# Altium PCB main_io.PcbDoc (part 1 of 3) (continued)
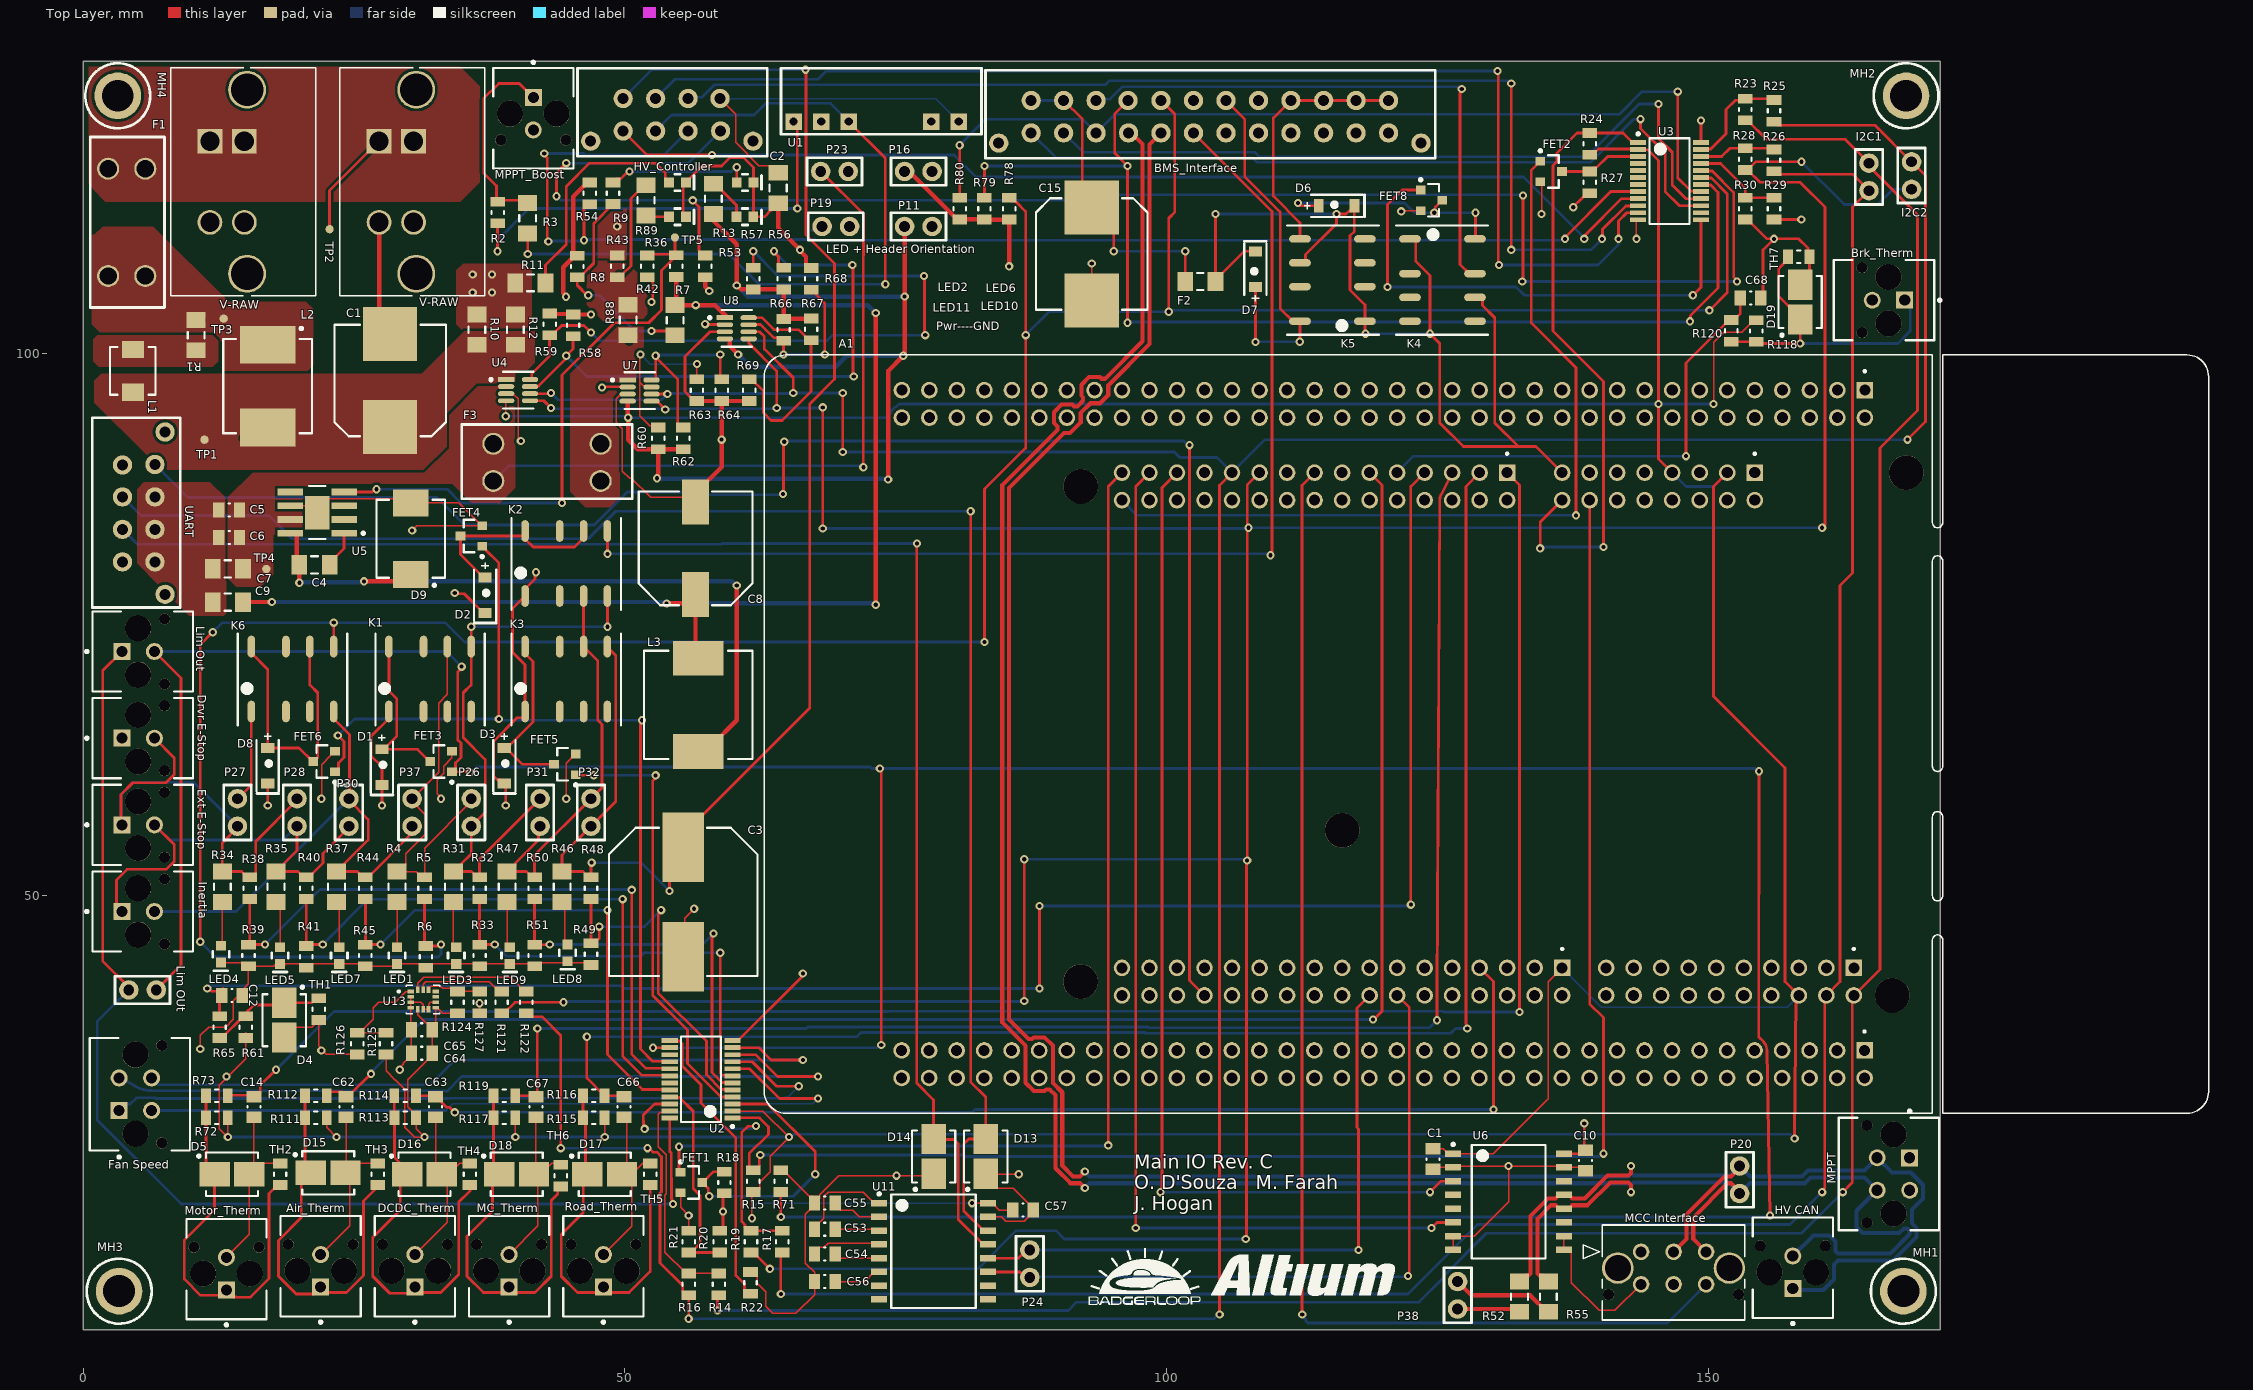
[diagram p0: Top Layer view]
## Components (designator, comment, footprint, x,y, rotation, side; value= is the part's Value field where it differs from the comment)
A1 "NUCLEO-F767ZI" ST_NUCLEO-F767ZI 129.535,64.897 r270 top
Air_Therm "43045-0224" FP-43045-0224-MFG 21.907,15.758 r0 top (schematic designator P14)
BMS_Interface "43045-2412" 0430452412 89.637,127.711 r180 top (schematic designator P2)
Brk_Therm "43045-0224" FP-43045-0224-MFG 166.236,104.95 r90 top (schematic designator P18)
C1 "PCR1J101MCL1GS" CAPAE110103X126M 28.321,97.536 r90 top
C1 "0.1uF" SMD-0805C 124.587,25.654 r90 top
C2 "GCM31CC71E106KA03L" SMD-1206C 64.135,115.316 r270 top value=10µF
C3 "865080462016" "CAPAE142135X140M -Wurth" 55.372,49.403 r270 top
C4 "10000pF" SMD-1206C 21.336,80.518 r180 top
C5 "4.7µF" SMD-0805C 13.462,85.598 r180 top
C6 "4.7µF" SMD-0805C 13.462,83.058 r180 top
C7 "10000pF" SMD-1206C 13.335,80.137 r180 top
C8 "GYB1E331MCW1GS" CAPAE110103X110N 56.515,82.042 r90 top value=330µF
C9 "10000pF" SMD-1206C 13.335,77.089 r180 top
C10 "0.1uF" SMD-0805C 138.684,25.527 r90 top
C12 "0.1uF" SMD-0805C 13.716,40.767 r0 top
C14 "0.1uF" SMD-0805C 15.748,30.48 r270 top
C15 "PCR1J101MCL1GS" CAPAE110103X126M 93.091,109.22 r270 top
C53 "0.10µF" SMD-0805C 68.453,19.177 r180 top
C54 "0.10µF" SMD-0805C 68.453,16.891 r180 top
C55 "0.1uF" SMD-0805C 68.453,21.59 r180 top
C56 "0.1uF" SMD-0805C 68.453,14.351 r180 top
C57 "0.1uF" SMD-0805C 86.741,20.955 r0 top
C62 "0.1uF" SMD-0805C 24.257,30.48 r270 top
C63 "0.1uF" SMD-0805C 32.512,30.48 r270 top
C64 "0.1uF" SMD-0805C 31.242,35.433 r180 top
C65 "0.1uF" SMD-0805C 31.242,37.592 r180 top
C66 "0.1uF" SMD-0805C 49.911,30.48 r270 top
C67 "0.1uF" SMD-0805C 41.783,30.48 r270 top
C68 "0.1uF" SMD-0805C 153.924,105.156 r0 top
D1 "MBR0520LT1G" "MBR0520LT1G - SOD123" 27.559,61.849 r270 top
D2 "MBR0520LT1G" "MBR0520LT1G - SOD123" 37.084,77.724 r270 top
D3 "MBR0520LT1G" "MBR0520LT1G - SOD123" 38.862,61.976 r270 top
D4 "SMBJ15A" DIOM4436X26N 18.542,38.481 r270 top
D5 "SMBJ15A" DIOM4436X26N 13.716,24.257 r0 top
D6 "MBR0520LT1G" "MBR0520LT1G - SOD123" 115.697,113.665 r0 top
D7 "MBR0520LT1G" "MBR0520LT1G - SOD123" 108.204,107.823 r90 top
D8 "MBR0520LT1G" "MBR0520LT1G - SOD123" 17.018,61.976 r270 top
D9 "SSC54-E3/9AT" SSC54-E3/9AT 30.226,82.931 r270 top
D13 "SMBJ8.0CA" DIOM4436X26N 83.312,25.908 r90 top
D14 "SMBJ8.0CA" DIOM4436X26N 78.486,25.908 r90 top
D15 "SMBJ15A" DIOM4436X26N 22.606,24.384 r0 top
D16 "SMBJ15A" DIOM4436X26N 31.496,24.257 r0 top
D17 "SMBJ15A" DIOM4436X26N 48.133,24.257 r0 top
D18 "SMBJ15A" DIOM4436X26N 40.005,24.257 r0 top
D19 "SMBJ15A" DIOM4436X26N 158.496,104.775 r90 top
DCDC_Therm "43045-0224" FP-43045-0224-MFG 30.607,15.758 r0 top (schematic designator P7)
"Drvr E-Stop" "43045-0224" FP-43045-0224-MFG 5.471,64.516 r270 top (schematic designator P22)
"Ext E-Stop" "43045-0224" FP-43045-0224-MFG 5.471,56.515 r270 top (schematic designator P25)
F1 "3568" "Fuse Holder 30A 500V 1 Circuit Blade Through Hole" 2.286,117.094 r270 top
F2 "F2570CT" SMD-1206-RES 103.124,106.68 r180 top
F3 "3568" "Fuse Holder 30A 500V 1 Circuit Blade Through Hole" 37.846,88.265 r0 top
"Fan Speed" "43045-0424" FP-43045-0424-MFG 5.217,31.647 r270 top (schematic designator P6)
FET1 "N-MOS Enhancement Mode" SOT95P240X110-3N 56.134,23.495 r0 top
FET2 "N-MOS Enhancement Mode" SOT95P240X110-3N 135.509,116.84 r0 top
FET3 "N-MOS Enhancement Mode" SOT95P240X110-3N 33.02,62.357 r180 top
FET4 "N-MOS Enhancement Mode" SOT95P240X110-3N 35.814,83.185 r180 top
FET5 "N-MOS Enhancement Mode" SOT95P240X110-3N 44.45,62.103 r180 top
FET6 "N-MOS Enhancement Mode" SOT95P240X110-3N 22.225,62.357 r180 top
FET8 "N-MOS Enhancement Mode" SOT95P240X110-3N 124.46,114.173 r0 top
"HV CAN" "43045-0224" FP-43045-0224-MFG 157.813,15.628 r0 top (schematic designator P5)
HV_Controller "0430450827" 0430450827 51.968,127.889 r180 top (schematic designator P3)
I2C1 "Header 2" "Pin Header 1x2 TH Pitch 2.54mm" 164.846,117.602 r270 top (schematic designator P12)
I2C2 "Header 2" "Pin Header 1x2 TH Pitch 2.54mm" 168.783,117.729 r270 top (schematic designator P17)
Inertia "43045-0224" FP-43045-0224-MFG 5.471,48.514 r270 top (schematic designator P36)
K1 "1-1462039-8" "1-1462039-8 - relay" 32.004,69.977 r90 top
K2 "1-1462039-8" "1-1462039-8 - relay" 44.577,80.645 r90 top
K3 "1-1462039-8" "1-1462039-8 - relay" 44.577,69.977 r90 top
K4 "1-1462039-8" "1-1462039-8 - relay" 125.476,106.807 r0 top
K5 "1-1462039-8" "1-1462039-8 - relay" 115.316,106.807 r180 top
K6 "1-1462039-8" "1-1462039-8 - relay" 19.304,69.977 r90 top
L1 "0410CDMCCDS-R10MC" INDM4442X20N 4.572,98.425 r270 top
L2 "IHLP3232DZER1R0M11" INDM8682X40N 17.018,97.013 r270 top
L3 "744066150" INDP100100X38N 56.769,67.582 r90 top
LED1 "LED GREEN 0603" "LED 0603 GREEN" 28.956,44.45 r270 top
LED2 "LED RED 0603" "LED 0603 RED" 54.851,115.824 r0 top
LED3 "LED GREEN 0603" "LED 0603 GREEN" 34.417,44.45 r270 top
LED4 "LED GREEN 0603" "LED 0603 GREEN" 12.7,44.577 r270 top
LED5 "LED GREEN 0603" "LED 0603 GREEN" 18.161,44.45 r270 top
LED6 "LED RED 0603" "LED 0603 RED" 61.087,115.824 r0 top
LED7 "LED GREEN 0603" "LED 0603 GREEN" 23.622,44.45 r270 top
LED8 "LED GREEN 0603" "LED 0603 GREEN" 44.704,44.704 r270 top
LED9 "LED GREEN 0603" "LED 0603 GREEN" 39.37,44.45 r270 top
LED10 "LED RED 0603" "LED 0603 RED" 61.074,112.649 r0 top
LED11 "LED RED 0603" "LED 0603 RED" 54.851,112.649 r0 top
"Lim OUt" "Header 2" "Pin Header 1x2 TH Pitch 2.54mm" 4.191,41.275 r0 top (schematic designator P33)
"Lim Out" "43045-0224" FP-43045-0224-MFG 5.471,72.517 r270 top (schematic designator P1)
MC_Therm "43045-0224" FP-43045-0224-MFG 39.306,15.758 r0 top (schematic designator P15)
"MCC Interface" "430450624" CON_430450624_MOL 143.812,17.097 r180 top (schematic designator J1)
MH1 "4-40 Mount Hole" MH 168.021,13.462 r0 top
MH2 "4-40 Mount Hole" MH 168.275,123.825 r0 top
MH3 "4-40 Mount Hole" MH 3.302,13.462 r0 top
MH4 "4-40 Mount Hole" MH 3.175,123.825 r0 top
Motor_Therm "43045-0224" FP-43045-0224-MFG 13.208,15.504 r0 top (schematic designator P8)
MPPT "43045-0424" FP-43045-0424-MFG 166.693,24.281 r90 top (schematic designator P13)
MPPT_Boost "43045-0224" FP-43045-0224-MFG 41.538,121.759 r180 top (schematic designator P21)
P11 "Header 2" "Pin Header 1x2 TH Pitch 2.54mm" 75.819,111.76 r0 top
P16 "Header 2" "Pin Header 1x2 TH Pitch 2.54mm" 75.819,116.84 r0 top
P19 "Header 2" "Pin Header 1x2 TH Pitch 2.54mm" 68.199,111.76 r0 top
P20 "Header 2" "Pin Header 1x2 TH Pitch 2.54mm" 152.908,25.019 r270 top
P23 "Header 2" "Pin Header 1x2 TH Pitch 2.54mm" 68.072,116.84 r0 top
P24 "Header 2" "Pin Header 1x2 TH Pitch 2.54mm" 87.376,17.272 r270 top
P26 "Header 2" "Pin Header 1x2 TH Pitch 2.54mm" 35.814,58.928 r270 top
P27 "Header 2" "Pin Header 1x2 TH Pitch 2.54mm" 14.224,58.928 r270 top
P28 "Header 2" "Pin Header 1x2 TH Pitch 2.54mm" 19.727,58.928 r270 top
P30 "Header 2" "Pin Header 1x2 TH Pitch 2.54mm" 24.511,56.388 r90 top
P31 "Header 2" "Pin Header 1x2 TH Pitch 2.54mm" 42.164,58.928 r270 top
P32 "Header 2" "Pin Header 1x2 TH Pitch 2.54mm" 46.863,58.928 r270 top
P37 "Header 2" "Pin Header 1x2 TH Pitch 2.54mm" 30.353,56.388 r90 top
P38 "Header 2" "Pin Header 1x2 TH Pitch 2.54mm" 126.873,11.811 r90 top
R1 "0.18" SMD-1206-RES 10.414,101.724 r270 top
R2 "ERJ-6GEYJ752V" SMD-0805-RES 38.256,113.046 r270 top value=7.5k
R3 "ERJ-8ENF2801V" SMD-1206-RES 41.021,112.519 r90 top value=2.8k
R4 "499" SMD-1206-RES 28.956,50.8 r270 top
R5 "1.8k" SMD-0805-RES 31.496,50.673 r270 top
R6 "1k" SMD-0805-RES 31.623,44.323 r270 top
R7 ".005" SMD-1206-RES 54.628,103.103 r270 top
R8 "0.0" SMD-0805-RES 45.593,108.061 r270 top
R9 "150" SMD-0805-RES 48.895,114.824 r270 top
R10 "0.01" SMD-1206-RES 36.322,102.235 r90 top
R11 "499" SMD-1206-RES 41.272,106.553 r0 top
R12 "0.01" SMD-1206-RES 39.878,102.238 r90 top
R13 "62" SMD-1206-RES 58.166,114.303 r90 top
R14 "0.0" SMD-0805-RES 58.674,14.097 r90 top
R15 "10k" SMD-0805-RES 61.849,23.622 r270 top
R16 "0.0" SMD-0805-RES 55.88,14.097 r90 top
R17 "0.0" SMD-0805-RES 64.516,18.034 r90 top
R18 "10k" SMD-0805-RES 59.182,23.495 r270 top
R19 "0.0" SMD-0805-RES 61.637,18.034 r90 top
R20 "0.0" SMD-0805-RES 58.759,18.034 r270 top
R21 "0.0" SMD-0805-RES 55.88,18.034 r90 top
R22 "10k" SMD-0805-RES 61.595,14.224 r270 top
R23 "0.0" SMD-0805-RES 153.416,122.555 r90 top
R24 "10k" SMD-0805-RES 139.065,119.38 r270 top
R25 "0.0" SMD-0805-RES 156.083,122.428 r90 top
R26 "0.0" SMD-0805-RES 156.083,117.856 r90 top
R27 "10k" SMD-0805-RES 139.065,115.824 r270 top
R28 "0.0" SMD-0805-RES 153.416,117.983 r90 top
R29 "0.0" SMD-0805-RES 156.083,113.411 r90 top
R30 "0.0" SMD-0805-RES 153.416,113.411 r270 top
R31 "499" SMD-1206-RES 34.163,50.8 r270 top
R32 "1.8k" SMD-0805-RES 36.576,50.673 r270 top
R33 "1k" SMD-0805-RES 36.576,44.45 r270 top
R34 "499" SMD-1206-RES 12.827,50.8 r270 top
R35 "499" SMD-1206-RES 17.78,50.8 r270 top
R36 "10k" SMD-0805-RES 54.737,108.093 r270 top
R37 "499" SMD-1206-RES 23.368,50.8 r270 top
R38 "1.8k" SMD-0805-RES 15.367,50.673 r270 top
R39 "1k" SMD-0805-RES 15.24,44.45 r270 top
R40 "1.8k" SMD-0805-RES 20.574,50.673 r270 top
R41 "1k" SMD-0805-RES 20.574,44.323 r270 top
R42 "3.16k" SMD-0805-RES 52.07,108.077 r90 top
R43 "0.0" SMD-0805-RES 49.276,108.077 r90 top
R44 "1.8k" SMD-0805-RES 26.035,50.673 r270 top
R45 "1k" SMD-0805-RES 26.035,44.45 r270 top
R46 "499" SMD-1206-RES 44.196,50.8 r270 top
R47 "499" SMD-1206-RES 39.116,50.8 r270 top
R48 "1.8k" SMD-0805-RES 46.863,50.673 r270 top
R49 "1k" SMD-0805-RES 46.863,44.577 r270 top
R50 "1.8k" SMD-0805-RES 41.656,50.673 r270 top
R51 "1k" SMD-0805-RES 41.656,44.45 r270 top
R52 "60.4" SMD-1206-RES 132.588,12.954 r270 top
R53 "10k" SMD-0805-RES 57.404,108.077 r270 top
R54 "10k" SMD-0805-RES 46.736,114.808 r90 top
R55 "60.4" SMD-1206-RES 135.255,12.954 r270 top
R56 "0.0" SMD-0805-RES 64.643,106.95 r270 top
R57 "0.0" SMD-0805-RES 61.849,106.95 r270 top
R58 "0.0" SMD-0805-RES 45.212,102.632 r270 top
R59 "0.0" SMD-0805-RES 43.053,102.727 r270 top
R60 "0.0" SMD-0805-RES 53.086,92.202 r270 top
R61 "4.7k" SMD-0805-RES 14.986,37.846 r270 top
R62 "0.0" SMD-0805-RES 55.372,92.202 r270 top
R63 "0.0" SMD-0805-RES 56.642,96.647 r90 top
R64 "0.0" SMD-0805-RES 58.928,96.647 r90 top
R65 "30k" SMD-0805-RES 12.573,37.846 r90 top
R66 "0.0" SMD-0805-RES 64.643,102.219 r90 top
R67 "0.0" SMD-0805-RES 67.183,102.251 r90 top
R68 "0.0" SMD-0805-RES 67.183,106.918 r270 top
R69 "0.0" SMD-0805-RES 61.468,96.647 r90 top
R71 "10k" SMD-0805-RES 64.389,23.622 r90 top
R72 "4.7k" SMD-0805-RES 12.319,29.464 r0 top
R73 "30k" SMD-0805-RES 12.319,31.496 r0 top
R78 "10k" SMD-0805-RES 85.471,113.411 r270 top
R79 "10k" SMD-0805-RES 83.185,113.411 r270 top
R80 "10k" SMD-0805-RES 80.899,113.411 r270 top
R88 ".005" SMD-1206-RES 50.292,103.124 r90 top
R89 "499" SMD-1206-RES 51.943,114.173 r270 top
R111 "4.7k" SMD-0805-RES 21.463,29.464 r0 top
R112 "30k" SMD-0805-RES 21.463,31.496 r0 top
R113 "4.7k" SMD-0805-RES 29.718,29.464 r0 top
R114 "30k" SMD-0805-RES 29.702,31.496 r0 top
R115 "4.7k" SMD-0805-RES 47.117,29.464 r0 top
R116 "30k" SMD-0805-RES 47.117,31.496 r0 top
R117 "4.7k" SMD-0805-RES 38.862,29.464 r0 top
R118 "4.7k" SMD-0805-RES 154.432,102.108 r90 top
R119 "30k" SMD-0805-RES 38.862,31.496 r0 top
R120 "30k" SMD-0805-RES 152.146,102.124 r90 top
R121 "0.0" SMD-0805-RES 38.608,40.132 r90 top
R122 "0.0" SMD-0805-RES 40.894,40.132 r90 top
R124 "0.0" SMD-0805-RES 34.544,40.132 r270 top
R125 "0.0" SMD-0805-RES 27.94,36.322 r270 top
R126 "0.0" SMD-0805-RES 25.273,36.322 r90 top
R127 "0.0" SMD-0805-RES 36.576,40.132 r90 top
Road_Therm "43045-0224" FP-43045-0224-MFG 48.006,15.758 r0 top (schematic designator P9)
TH1 "NCP21XM472J03RA" SMD-0805-RES 21.717,39.497 r90 top
TH2 "NCP21XM472J03RA" SMD-0805-RES 18.161,24.257 r270 top
TH3 "NCP21XM472J03RA" SMD-0805-RES 27.178,24.257 r270 top
TH4 "NCP21XM472J03RA" SMD-0805-RES 35.687,24.257 r270 top
TH5 "NCP21XM472J03RA" SMD-0805-RES 52.324,24.257 r270 top
TH6 "NCP21XM472J03RA" SMD-0805-RES 44.069,24.13 r270 top
TH7 "NCP21XM472J03RA" SMD-0805-RES 158.369,108.966 r180 top
TP1 "TP" "Test Point" 11.176,92.075 r90 top
TP2 "TP" "Test Point" 22.733,111.506 r90 top
TP3 "TP" "Test Point" 12.954,103.251 r90 top
TP4 "TP" "Test Point" 16.891,80.137 r90 top
TP5 "TP" "Test Point" 54.61,110.744 r90 top
U1 "TMV1212S" TMV1212S-Footprint-1 73.66,123.317 r180 top
U2 "TCA6416PWR" TSOP65P640X120-24N 57.023,33.02 r180 top
U3 "TCA6416PWR" TSOP65P640X120-24N 146.431,115.951 r0 top
U4 "INA219AIDCNR" FP-DCN0008A-IPC_B 40.132,96.647 r0 top
U5 "TPS5450MDDAREP" TPS5450QDDARQ1 21.59,85.344 r180 top
U6 "ISO1050DWR" "IL 41050TE" 131.572,21.717 r0 top
U7 "INA219AIDCNR" FP-DCN0008A-IPC_B 51.351,96.606 r0 top
U8 "INA219AIDCNR" FP-DCN0008A-IPC_B 60.325,102.362 r0 top
U11 "MAX3232IDW" SOP127P1060X175-16N 78.486,17.145 r0 top
U13 "LSM6DSLTR" PQFN50P300X250X86-14N 31.369,40.386 r0 top
UART "0430450827" 0430450827 -0.711,82.931 r270 top (schematic designator P29)
V-RAW "0431604302" CON_431604302_MOL 14.864,119.634 r270 top (schematic designator P34)
V-RAW "0431604302" CON_431604302_MOL 30.48,119.634 r270 top (schematic designator P10)

## Footprints (in the part's own frame and the unit in brackets; to place one, negate y for a bottom-side part, rotate by r counter-clockwise, add the part's x,y. Pads: shape width x height; smd on the part's side, far side on the other; paste and mask are expansions set on the pad)
"1-1462039-8 - relay" [mm] "SOIC, 8-Leads, Body 10.00x6.00mm, Pitch 1.27mm, IPC Medium Density"
  oval 2x0.7 smd: 1(-3,3.8) 2(-3,0.6) 3(-3,-1.6) 4(-3,-3.8) 5(3,-3.8) 6(3,-1.6) 7(3,0.6) 8(3,3.8)
  silkscreen extent -4.3,-5.05 4.2,5.05, body extent -3.05,-5.05 3.05,5.05, height 5.65
0430450827 [mil]
  round 70 hole 40: 1(84,170) 2(-34,170) 3(-152,170) 4(-268,170) 5(84,288) 6(-34,288) 7(-152,288) 8(-270,288) ""(-388,325) ""(202,325)
  silkscreen extent -440,60 250,380, body extent -408,75 228,420, height 405
0430452412 [mil]
  round 70 hole 40: 1(84,170) 2(-34,170) 3(-152,170) 4(-268,170) 5(-388,170) 6(-506,170) 7(-624,170) 8(-742,170) 9(-860,170) 10(-979,170) 11(-1097,170) 12(-1215,170) 13(84,288) 14(-34,288) 15(-152,288) 16(-270,288) 17(-388,288) 18(-506,288) 19(-624,288) 20(-742,288) 21(-860,288) 22(-979,288) 23(-1097,288) 24(-1215,288) ""(-1333,325) ""(202,325)
  silkscreen extent -1385,60 250,380, body extent -1356,72 225,418, height 405
CAPAE110103X110N [mm] "Aluminum Electrolytic Capacitor, Body 10.30x10.30x11.00mm, IPC Medium Density"
  rect 4.15x2.5 smd: 1(-4.275,0) 2(4.275,0)
  silkscreen extent -5.25,-5.25 5.25,5.25, body extent -5.25,-5.25 5.25,5.25, height 11
CAPAE110103X126M [mm] "Aluminum Electrolytic Capacitor, Body 10.30x10.30x12.60mm, IPC Low Density"
  rect 5x5 smd: 1(-4.3,0) 2(4.3,0)
  silkscreen extent -5.15,-5.15 5.15,5.15, body extent -5.5,-5.15 5.5,5.15, height 12.6
"CAPAE142135X140M -Wurth" [mm] "Aluminum Electrolytic Capacitor, Body 13.50x13.50x14.00mm, IPC Low Density"
  rect 6.4x3.85 smd: 1(-5.05,0) 2(5.05,0)
  silkscreen extent -6.85,-6.85 6.85,6.85, body extent -7.1,-6.85 7.1,6.85, height 14
CON_430450624_MOL [mm]
  round 1.52 / inner round 1.524 / far side round 1.52 hole 1.02 paste-0.76 mask+0.076: 1(0,0) 2(-3,0) 3(-6,0) 4(0,3) 5(-3,3) 6(-6,3)
  round 1.02 / inner round 1.524 / far side round 1.02 hole 1.02 unplated paste-0.51 mask+0.076: M1(3,3.94) M2(-9,3.94)
  round 2.91 / inner round 1.524 / far side round 2.91 hole 2.41 paste-1.455 mask+0.076: P1(2.15,1.5) P2(-8.15,1.5)
  silkscreen extent -9.57,-2.47 5.35,6.3
CON_431604302_MOL [mm]
  rect 2.28x2.28 / inner round 1.524 / far side rect 2.28x2.28 hole 1.78 paste-1.14 mask+0.076: A1(0,0) A2(0,-3.18)
  round 2.28 / inner round 1.524 / far side round 2.28 hole 1.78 paste-1.14 mask+0.076: B1(7.493,0) B2(7.493,-3.18)
  round 3.5 / inner round 1.524 / far side round 3.5 hole 3 paste-1.75 mask+0.076: M1(-4.75,0.25) M2(12.243,0.25)
  silkscreen extent -6.8,-6.81 14.28,6.58
DIOM4436X26N [mm] "Molded Diode, 2-Leads, Body 4.40x3.62mm, IPC Medium Density"
  rect 2.8x2.26 smd: 1(-1.6,0) 2(1.6,0)
  silkscreen extent -3.17,-2 2.4,2, body extent -2.6,-1.97 2.6,1.97, height 2.61
FP-43045-0224-MFG [mm]
  rect 1.57x1.57 hole 1.02 paste-1000 mask+0: 1(0,-1.915)
  round 1.57 hole 1.02 paste-1000 mask+0: 2(0,1.085)
  round 1.02 hole 1.02 unplated paste-1000 mask+0: ""(-3,2.025) ""(3,2.025)
  round 2.41 hole 2.41 unplated paste-1000 mask+0: ""(-2.15,-0.415) ""(2.15,-0.415)
  silkscreen extent -3.7,-5.27 3.7,4.63, body extent -3.8,-4.73 3.8,4.73, height 0.25
FP-43045-0424-MFG [mm]
  rect 1.57x1.57 hole 1.02 paste-1000 mask+0: 1(1.5,-1.915)
  round 1.57 hole 1.02 paste-1000 mask+0: 2(-1.5,-1.915) 3(1.5,1.085) 4(-1.5,1.085)
  round 1.02 hole 1.02 unplated paste-1000 mask+0: ""(-4.5,2.025) ""(4.5,2.025)
  round 2.41 hole 2.41 unplated paste-1000 mask+0: ""(-3.65,-0.415) ""(3.65,-0.415)
  silkscreen extent -5.2,-4.63 5.92,4.63, body extent -5.3,-4.73 5.3,4.73, height 0.25
FP-DCN0008A-IPC_B [mm]
  rect 1.505x0.455 smd paste+0 mask+0: 1(-1.1,0.975)
  rrect100% 1.505x0.455 smd paste+0 mask+0: 2(-1.1,0.325) 3(-1.1,-0.325) 4(-1.1,-0.975) 5(1.1,-0.975) 6(1.1,-0.325) 7(1.1,0.325) 8(1.1,0.975)
  silkscreen extent -2.62,-1.7 1.4,1.7, body extent -2.1,-1.7 2.1,1.7, height 0.25
"Fuse Holder 30A 500V 1 Circuit Blade Through Hole" [mil]
  round 80 hole 63: 1(0,135) 1(0,0) 2(390,0) 2(390,135)
  silkscreen extent -115,-65 505,205, body extent -110,-60 505,200, height 290
"IL 41050TE" [mm]
  rect 1.5x0.6 smd: 1(-5.12,4.445) 2(-5.12,3.175) 3(-5.12,1.905) 4(-5.12,0.635) 5(-5.12,-0.635) 6(-5.12,-1.905) 7(-5.12,-3.175) 8(-5.12,-4.445) 9(5.12,-4.445) 10(5.12,-3.175) 11(5.12,-1.905) 12(5.12,-0.635) 13(5.12,0.635) 14(5.12,1.905) 15(5.12,3.175) 16(5.12,4.445)
  silkscreen extent -5.24,-5.25 3.4,5.42, body extent -5.16,-5.25 5.16,5.25, height 2.67
INDM4442X20N [mm] "Molded Inductor, 2-Leads, Body 4.40x4.20mm, IPC Medium Density"
  rect 1.6x2.05 smd: 1(-1.975,0) 2(1.975,0)
  silkscreen extent -2.2,-2.1 2.2,2.1, body extent -2.42,-2.1 2.42,2.1, height 2
INDM8682X40N [mm] "Molded Inductor, 2-Leads, Body 8.64x8.18mm, IPC Medium Density"
  rect 3.5x5.1 smd: 1(-3.825,0) 2(3.825,0)
  silkscreen extent -5.45,-4.1 4.35,4.1, body extent -4.54,-4.09 4.54,4.09, height 4
INDP100100X38N [mm]
  rect 3.2x4.7 smd: 1(-4.3,0) 2(4.3,0)
  silkscreen extent -5,-5 5,5, body extent -5.1,-5 5.1,5, height 3.9
"LED 0603 GREEN" [mm] "Chip Diode, 2-Leads, Body 1.60x0.80mm, IPC Medium Density"
  rect 0.9x0.95 smd: 1(-0.775,0) 2(0.775,0)
  silkscreen extent -0.25,-0.76 1.52,0.76, body extent -0.8,-0.4 0.8,0.4, height 0.8
"LED 0603 RED" [mm] "Chip Diode, 2-Leads, Body 1.60x0.80mm, IPC Medium Density"
  rect 0.9x0.95 smd: 1(-0.775,0) 2(0.775,0)
  silkscreen extent -0.25,-0.76 1.52,0.76, body extent -0.8,-0.4 0.8,0.4, height 0.8
"MBR0520LT1G - SOD123" [mm] "TSSOP, 2-Leads, Body 1.60x2.69mm, Pitch 0.00mm, IPC Medium Density"
  rect 0.91x1.22 smd: 1(-1.64,0) 2(1.64,0)
  silkscreen extent -2.99,-1.02 2.58,1.02, body extent -1.35,-0.85 1.35,0.85, height 1.04
MH [mm] "#10 Mount Hole"
  round 4.3 hole 2.946 unplated: 2(0,0)
  silkscreen extent -3,-3 3,3, body extent -2.32,-2.58 2.32,2.07, height 2.84
"Pin Header 1x2 TH Pitch 2.54mm" [mm] "PinHeader 1x2 TH Pitch 2.54mm"
  round 1.8 hole 1: 1(0,0) 2(2.54,0)
  silkscreen extent -1.27,-1.27 3.81,1.27, body extent -1.27,-1.27 3.81,1.27, height 9.5
PQFN50P300X250X86-14N [mm]
  rect 0.61x0.35 smd: 1(-1.16,0.75) 2(-1.16,0.25) 3(-1.16,-0.25) 4(-1.16,-0.75) 8(1.16,-0.75) 9(1.16,-0.25) 10(1.16,0.25) 11(1.16,0.75)
  rect 0.35x0.61 smd: 5(-0.5,-0.91) 6(0,-0.91) 7(0.5,-0.91) 12(0.5,0.91) 13(0,0.91) 14(-0.5,0.91)
  silkscreen extent -2.35,-1.3 1.55,1.3, body extent -1.5,-1.25 1.5,1.25, height 0.86
SMD-0805-RES [mm]
  rect 0.9x1.35 smd: 1(-1,0) 2(1,0)
  silkscreen extent -0.15,-0.58 0.15,0.58, body extent -1.1,-0.67 1.1,0.67, height 0.5
SMD-0805C [mm]
  rect 1.05x1.4 smd: 1(-0.95,0) 2(0.95,0)
  silkscreen extent -0.05,-0.6 0.05,0.6, body extent -1.1,-0.67 1.1,0.67, height 0.5
SMD-1206-RES [mm]
  rect 1.45x1.75 smd: 1(-1.4,0) 2(1.4,0)
  silkscreen extent -0.3,-0.77 0.3,0.77, body extent -1.78,-0.87 1.78,0.87, height 0.5
SMD-1206C [mm]
  rect 1.45x1.8 smd: 1(-1.4,0) 2(1.4,0)
  silkscreen extent -0.3,-0.8 0.3,0.8, body extent -1.78,-0.87 1.78,0.87, height 0.5
SOP127P1060X175-16N [mm] "SOP, 16-Leads, Body 10.50x7.50mm, Pitch 1.27mm, IPC Medium Density"
  rect 1.45x0.6 smd: 1(-5.025,4.445) 2(-5.025,3.175) 3(-5.025,1.905) 4(-5.025,0.635) 5(-5.025,-0.635) 6(-5.025,-1.905) 7(-5.025,-3.175) 8(-5.025,-4.445) 9(5.025,-4.445) 10(5.025,-3.175) 11(5.025,-1.905) 12(5.025,-0.635) 13(5.025,0.635) 14(5.025,1.905) 15(5.025,3.175) 16(5.025,4.445)
  silkscreen extent -5.15,-5.25 3.9,5.42, body extent -5.32,-5.25 5.32,5.25, height 1.75
SOT95P240X110-3N [mm] "SOT23, 3-Leads, Body 2.90x2.40mm, Pitch 0.95mm, IPC Medium Density"
  rect 0.9x0.8 smd: 1(-1,0.95) 2(1,0) 3(-1,-0.95)
  silkscreen extent -1.12,-1.5 0.7,2.02, body extent -0.7,-1.5 0.7,1.5, height 1.1
SSC54-E3/9AT [mm] "Molded Diode, 2-Leads, Body 6.86x5.91mm, IPC Medium Density"
  rect 2.5x3.25 smd: 1(-3.305,0) 2(3.305,0)
  silkscreen extent -3.6,-3.15 4.43,3.15, body extent -3.55,-3.11 3.55,3.11, height 2.62
ST_NUCLEO-F767ZI [mm]
  rect 1.53x1.53 / inner round 1.53 / far side rect 1.53x1.53 hole 1.02: CN7_1(21.59,33.914) CN8_1(-24.13,24.77) CN9_1(-24.13,1.91) CN10_1(21.59,6.99) CN11_1(-31.75,34.93) CN12_1(29.21,34.91)
  round 1.53 hole 1.02: CN7_2(24.13,33.914) CN7_3(21.59,31.374) CN7_4(24.13,31.374) CN7_5(21.59,28.834) CN7_6(24.13,28.834) CN7_7(21.59,26.294) CN7_8(24.13,26.294) CN7_9(21.59,23.754) CN7_10(24.13,23.754) CN7_11(21.59,21.214) CN7_12(24.13,21.214) CN7_13(21.59,18.674) CN7_14(24.13,18.674) CN7_15(21.59,16.134) CN7_16(24.13,16.134) CN7_17(21.59,13.594) CN7_18(24.13,13.594) CN7_19(21.59,11.054) CN7_20(24.13,11.054) CN8_2(-21.59,24.77) CN8_3(-24.13,22.23) CN8_4(-21.59,22.23) CN8_5(-24.13,19.69) CN8_6(-21.59,19.69) CN8_7(-24.13,17.15) CN8_8(-21.59,17.15) CN8_9(-24.13,14.61) CN8_10(-21.59,14.61) CN8_11(-24.13,12.07) CN8_12(-21.59,12.07) CN8_13(-24.13,9.53) CN8_14(-21.59,9.53) CN8_15(-24.13,6.99) CN8_16(-21.59,6.99) CN9_2(-21.59,1.91) CN9_3(-24.13,-0.63) CN9_4(-21.59,-0.63) CN9_5(-24.13,-3.17) CN9_6(-21.59,-3.17) CN9_7(-24.13,-5.71) CN9_8(-21.59,-5.71) CN9_9(-24.13,-8.25) CN9_10(-21.59,-8.25) CN9_11(-24.13,-10.79) CN9_12(-21.59,-10.79) CN9_13(-24.13,-13.33) CN9_14(-21.59,-13.33) CN9_15(-24.13,-15.87) CN9_16(-21.59,-15.87) CN9_17(-24.13,-18.41) CN9_18(-21.59,-18.41) CN9_19(-24.13,-20.95) CN9_20(-21.59,-20.95) CN9_21(-24.13,-23.49) CN9_22(-21.59,-23.49) CN9_23(-24.13,-26.03) CN9_24(-21.59,-26.03) CN9_25(-24.13,-28.57) CN9_26(-21.59,-28.57) CN9_27(-24.13,-31.11) CN9_28(-21.59,-31.11) CN9_29(-24.13,-33.65) CN9_30(-21.59,-33.65) CN10_2(24.13,6.99) CN10_3(21.59,4.45) CN10_4(24.13,4.45) CN10_5(21.59,1.91) CN10_6(24.13,1.91) CN10_7(21.59,-0.63) CN10_8(24.13,-0.63) CN10_9(21.59,-3.17) CN10_10(24.13,-3.17) CN10_11(21.59,-5.71) CN10_12(24.13,-5.71) CN10_13(21.59,-8.25) CN10_14(24.13,-8.25) CN10_15(21.59,-10.79) CN10_16(24.13,-10.79) CN10_17(21.59,-13.33) CN10_18(24.13,-13.33) CN10_19(21.59,-15.87) CN10_20(24.13,-15.87) CN10_21(21.59,-18.41) CN10_22(24.13,-18.41) CN10_23(21.59,-20.95) CN10_24(24.13,-20.95) CN10_25(21.59,-23.49) CN10_26(24.13,-23.49) CN10_27(21.59,-26.03) CN10_28(24.13,-26.03) CN10_29(21.59,-28.57) CN10_30(24.13,-28.57) CN10_31(21.59,-31.11) CN10_32(24.13,-31.11) CN10_33(21.59,-33.65) CN10_34(24.13,-33.65) CN11_2(-29.21,34.93) CN11_3(-31.75,32.39) CN11_4(-29.21,32.39) CN11_5(-31.75,29.85) CN11_6(-29.21,29.85) CN11_7(-31.75,27.31) CN11_8(-29.21,27.31) CN11_9(-31.75,24.77) CN11_10(-29.21,24.77) CN11_11(-31.75,22.23) CN11_12(-29.21,22.23) CN11_13(-31.75,19.69) CN11_14(-29.21,19.69) CN11_15(-31.75,17.15) CN11_16(-29.21,17.15) CN11_17(-31.75,14.61) CN11_18(-29.21,14.61) CN11_19(-31.75,12.07) CN11_20(-29.21,12.07) CN11_21(-31.75,9.53) CN11_22(-29.21,9.53) CN11_23(-31.75,6.99) CN11_24(-29.21,6.99) CN11_25(-31.75,4.45) CN11_26(-29.21,4.45) CN11_27(-31.75,1.91) CN11_28(-29.21,1.91) CN11_29(-31.75,-0.63) CN11_30(-29.21,-0.63) CN11_31(-31.75,-3.17) CN11_32(-29.21,-3.17) CN11_33(-31.75,-5.71) CN11_34(-29.21,-5.71) CN11_35(-31.75,-8.25) CN11_36(-29.21,-8.25) CN11_37(-31.75,-10.79) CN11_38(-29.21,-10.79) CN11_39(-31.75,-13.33) CN11_40(-29.21,-13.33) CN11_41(-31.75,-15.87) CN11_42(-29.21,-15.87) CN11_43(-31.75,-18.41) CN11_44(-29.21,-18.41) CN11_45(-31.75,-20.95) CN11_46(-29.21,-20.95) CN11_47(-31.75,-23.49) CN11_48(-29.21,-23.49) CN11_49(-31.75,-26.03) CN11_50(-29.21,-26.03) CN11_51(-31.75,-28.57) CN11_52(-29.21,-28.57) CN11_53(-31.75,-31.11) CN11_54(-29.21,-31.11) CN11_55(-31.75,-33.65) CN11_56(-29.21,-33.65) CN11_57(-31.75,-36.19) CN11_58(-29.21,-36.19) CN11_59(-31.75,-38.73) CN11_60(-29.21,-38.73) CN11_61(-31.75,-41.27) CN11_62(-29.21,-41.27) CN11_63(-31.75,-43.81) CN11_64(-29.21,-43.81) CN11_65(-31.75,-46.35) CN11_66(-29.21,-46.35) CN11_67(-31.75,-48.89) CN11_68(-29.21,-48.89) CN11_69(-31.75,-51.43) CN11_70(-29.21,-51.43) CN11_71(-31.75,-53.97) CN11_72(-29.21,-53.97) CN12_2(31.75,34.91) CN12_3(29.21,32.37) CN12_4(31.75,32.37) CN12_5(29.21,29.83) CN12_6(31.75,29.83) CN12_7(29.21,27.29) CN12_8(31.75,27.29) CN12_9(29.21,24.75) CN12_10(31.75,24.75) CN12_11(29.21,22.21) CN12_12(31.75,22.21) CN12_13(29.21,19.67) CN12_14(31.75,19.67) CN12_15(29.21,17.13) CN12_16(31.75,17.13) CN12_17(29.21,14.59) CN12_18(31.75,14.59) CN12_19(29.21,12.05) CN12_20(31.75,12.05) CN12_21(29.21,9.51) CN12_22(31.75,9.51) CN12_23(29.21,6.97) CN12_24(31.75,6.97) CN12_25(29.21,4.43) CN12_26(31.75,4.43) CN12_27(29.21,1.89) CN12_28(31.75,1.89) CN12_29(29.21,-0.65) CN12_30(31.75,-0.65) CN12_31(29.21,-3.19) CN12_32(31.75,-3.19) CN12_33(29.21,-5.73) CN12_34(31.75,-5.73) CN12_35(29.21,-8.27) CN12_36(31.75,-8.27) CN12_37(29.21,-10.81) CN12_38(31.75,-10.81) CN12_39(29.21,-13.35) CN12_40(31.75,-13.35) CN12_41(29.21,-15.89) CN12_42(31.75,-15.89) CN12_43(29.21,-18.43) CN12_44(31.75,-18.43) CN12_45(29.21,-20.97) CN12_46(31.75,-20.97) CN12_47(29.21,-23.51) CN12_48(31.75,-23.51) CN12_49(29.21,-26.05) CN12_50(31.75,-26.05) CN12_51(29.21,-28.59) CN12_52(31.75,-28.59) CN12_53(29.21,-31.13) CN12_54(31.75,-31.13) CN12_55(29.21,-33.67) CN12_56(31.75,-33.67) CN12_57(29.21,-36.21) CN12_58(31.75,-36.21) CN12_59(29.21,-38.75) CN12_60(31.75,-38.75) CN12_61(29.21,-41.29) CN12_62(31.75,-41.29) CN12_63(29.21,-43.83) CN12_64(31.75,-43.83) CN12_65(29.21,-46.37) CN12_66(31.75,-46.37) CN12_67(29.21,-48.91) CN12_68(31.75,-48.91) CN12_69(29.21,-51.45) CN12_70(31.75,-51.45) CN12_71(29.21,-53.99) CN12_72(31.75,-53.99)
  round 3.2 hole 3.2 unplated: ""(-24.13,38.74) ""(-22.86,-37.46) ""(8.89,-13.33) ""(22.86,-37.46) ""(24.13,37.47)
  silkscreen extent -35,-66.67 35,66.67
"Test Point" [mil] "SMD Test Point"
  round 30 smd: 1(0,0)
TMV1212S-Footprint-1 [mil]
  rect 60x60 hole 30: 1(-281.5,73.62) 2(-181.5,73.62) 5(118.5,73.62) 6(218.5,73.62) 7(318.5,73.62)
  silkscreen extent -364,-120 364,120, body extent -360,-115 360,115, height 402
TPS5450QDDARQ1 [mm]
  rect 2.353x0.622 smd paste+0 mask+0: 1(-2.477,1.905) 2(-2.477,0.635) 3(-2.477,-0.635) 4(-2.477,-1.905) 5(2.477,-1.905) 6(2.477,-0.635) 7(2.477,0.635) 8(2.477,1.905)
  rect 2.3x3.1 smd paste-1000 mask+0: 9(0,0)
  silkscreen extent -4.38,-2.45 0.75,2.45, body extent -4.15,-2.95 4.15,2.95, height 0.25
TSOP65P640X120-24N [mm] "TSOP, 24-Leads, Body 7.80x4.40mm, Pitch 0.65mm, IPC Medium Density"
  rect 1.5x0.45 smd: 1(-2.9,3.575) 2(-2.9,2.925) 3(-2.9,2.275) 4(-2.9,1.625) 5(-2.9,0.975) 6(-2.9,0.325) 7(-2.9,-0.325) 8(-2.9,-0.975) 9(-2.9,-1.625) 10(-2.9,-2.275) 11(-2.9,-2.925) 12(-2.9,-3.575) 13(2.9,-3.575) 14(2.9,-2.925) 15(2.9,-2.275) 16(2.9,-1.625) 17(2.9,-0.975) 18(2.9,-0.325) 19(2.9,0.325) 20(2.9,0.975) 21(2.9,1.625) 22(2.9,2.275) 23(2.9,2.925) 24(2.9,3.575)
  silkscreen extent -3.03,-3.95 1.85,4.47, body extent -3.2,-3.95 3.2,3.95, height 1.2

## Part data
A1: library part CMP-020-00023-1, "STM32 Nucleo-144 development board with STM32F767ZI MCU, supports Arduino, ST Zio and morpho connectivity", Case/Package=None, Availability=Unavailable, Component Type=Standard, Design Item ID=NUCLEO-F767ZI, MF=STMicroelectronics, MP=NUCLEO-F767ZI, PartId=3, Pins=240, Price=None, Source=NUCLEO-F767ZI.SchLib
Air_Therm Brk_Therm DCDC_Therm "Drvr E-Stop" "Ext E-Stop" "HV CAN" Inertia "Lim Out" MC_Therm Motor_Therm MPPT_Boost Road_Therm: library part CMP-002-00163-2, "Rectangular Power Connector, 2 Contact(s), Male, Solder Terminal, Receptacle", Max Operating Temperature=105°C, Min Operating Temperature=-40°C, Connector Type=Power,Rectangular, Mounting Technology=Board, RoHS Compliant=Yes
BMS_Interface: library part CMP-002-00102-1, "HEADER, VERTICAL, 24WAY; Series:Micro-Fit 3.0; Pitch Spacing:3mm; Contact Termination Type:Through Hole; No. of Contacts:24; No. of Rows:2; Connector Mounting:PCB; Gender:Plug; Contact Material:Brass; Contact Plating:Tin; ;RoHS Compliant: Yes", Color=Black, Contact Resistance=10mR, Current Rating=5A, Flammability Rating="UL94 V-0", Insulation Resistance=1GR, Manufacturer=Molex, Max Operating Temperature=105°C, Max Voltage Rating (DC)=250.25kV, Min Operating Temperature=-40°C, Operating Supply Voltage=250V, Package Quantity=576, Voltage Rating=600V, Approvals=UL,CSA,TUV, ComponentLink1Description=http://www.farnell.com/datasheets/1786158.pdf?src-supplier=Element14, ComponentLink1URL=http://www.farnell.com/datasheets/1786158.pdf?src-supplier=Element14, ComponentLink2Description=https://www.alliedelec.com/m/d/28e7c516ce872cc01c31d58871c770af.pdf?src-supplier=Allied+Electronics, ComponentLink2URL=https://www.alliedelec.com/m/d/28e7c516ce872cc01c31d58871c770af.pdf?src-supplier=Allied+Electronics, ComponentLink3Description=http://www.jameco.com/Jameco/Products/ProdDS/883907.pdf?src-supplier=Jameco, ComponentLink3URL=http://www.jameco.com/Jameco/Products/ProdDS/883907.pdf?src-supplier=Jameco, ComponentLink4Description=http://www.mouser.com/ds/2/276/0430452412_PCB_HEADERS-168381.pdf?src-supplier=Mouser, ComponentLink4URL=http://www.mouser.com/ds/2/276/0430452412_PCB_HEADERS-168381.pdf?src-supplier=Mouser, ComponentLink5Description=http://www.molex.com/webdocs/datasheets/pdf/en-us/0430452412_PCB_HEADERS.pdf?src-supplier=Avnet, ComponentLink5URL=http://www.molex.com/webdocs/datasheets/pdf/en-us/0430452412_PCB_HEADERS.pdf?src-supplier=Avnet, ComponentLink6Description=http://uk.rs-online.com/webdocs/13c3/0900766b813c3b1e.pdf?src-supplier=RSComponents, ComponentLink6URL=http://uk.rs-online.com/webdocs/13c3/0900766b813c3b1e.pdf?src-supplier=RSComponents, ComponentLink7Description=http://www.molex.com/webdocs/datasheets/pdf/en-us/0430452412_PCB_HEADERS.pdf?src-supplier=Avnet+Europe, ComponentLink7URL=http://www.molex.com/webdocs/datasheets/pdf/en-us/0430452412_PCB_HEADERS.pdf?src-supplier=Avnet+Europe, Connector Type=Plug,Socket, Contact Material=Brass,Tin, Contact Plating=Tin, Depth=8.77mm, Design Item ID=43045-2412, Gender=Male, Glow Wire Compliant=Compliant, Halogen Free="Low Halogen", Height=9.91mm, Housing Color=Black, Housing Material=Thermoplastic, Lead Free="Lead Free", Lead Pitch=3mm, Length=40.15mm, Manufacturer Part Number=43045-2412, Material=Polyester, Max Current Rating=5A, Mount="Through Hole", Number of Circuits=24, Number of Contacts=24, Number of Poles=24, Number of Positions=24, Number of Rows=2, Orientation=Vertical, Packaging=Tray, Pitch=3mm, Pricing 1="1=4.89, 10=4.693, 100=3.9112, 576=3.32451, 1152=2.83562 (USD)", Radiation Hardening=No, REACH SVHC=Unknown, Row Spacing=3mm, Source=connector.SchLib, Stock 1=772, Termination=Solder, Voltage Rating (AC)=250V, Voltage Rating (DC)=250V, Working Voltage=250V
C1 C15: "CAP ALUM POLY 100UF 20% 63V SMD", Capacitance=100uF, Case/Package=Radial, ESR (Equivalent Series Resistance)=24mR, Leakage Current=3uA, Manufacturer=Nichicon, Max Operating Temperature=125°C, Min Operating Temperature=-55°C, Package Quantity=1, Ripple Current=3A, Supplier Part Number 1=493-13783-1-ND, Tolerance=20%, Voltage=63V, ComponentLink1Description=https://datasheet.ciiva.com/29551/e-ch-ta-29551389.pdf?src-supplier=Digi-Key, ComponentLink1URL=https://datasheet.ciiva.com/29551/e-ch-ta-29551389.pdf?src-supplier=Digi-Key, ComponentLink2Description=https://datasheet.ciiva.com/29551/e-ch-ta-29551390.pdf?src-supplier=Digi-Key, ComponentLink2URL=https://datasheet.ciiva.com/29551/e-ch-ta-29551390.pdf?src-supplier=Digi-Key, ComponentLink3Description=https://datasheet.ciiva.com/29551/e-ch-ta-29551391.pdf?src-supplier=Digi-Key, ComponentLink3URL=https://datasheet.ciiva.com/29551/e-ch-ta-29551391.pdf?src-supplier=Digi-Key, Depth=10.3mm, Diameter=10mm, Dissipation Factor=0.08%, Height=12.7mm, Height - Seated (Max)=0.504inch, Lead Free="Lead Free", Lead Pitch=4.6mm, Length=12.7mm, Life (Hours)=4000Hour, Manufacturer Part Number=PCR1J101MCL1GS, Mount="Surface Mount,PCB", Packaging="Tape and Reel", Pricing 1="1=3.63000, 10=2.92800, 100=2.28380 (USD)", RoHS=Yes, Stock 1=11476, Supplier 1=Digi-Key, Termination=SMD/SMT, Voltage Rating=63V, Voltage Rating (DC)=63V, Weight=0.045856oz